# KiCad board CoquiKeyboard.kicad_pcb
title: Coqui Keyboard
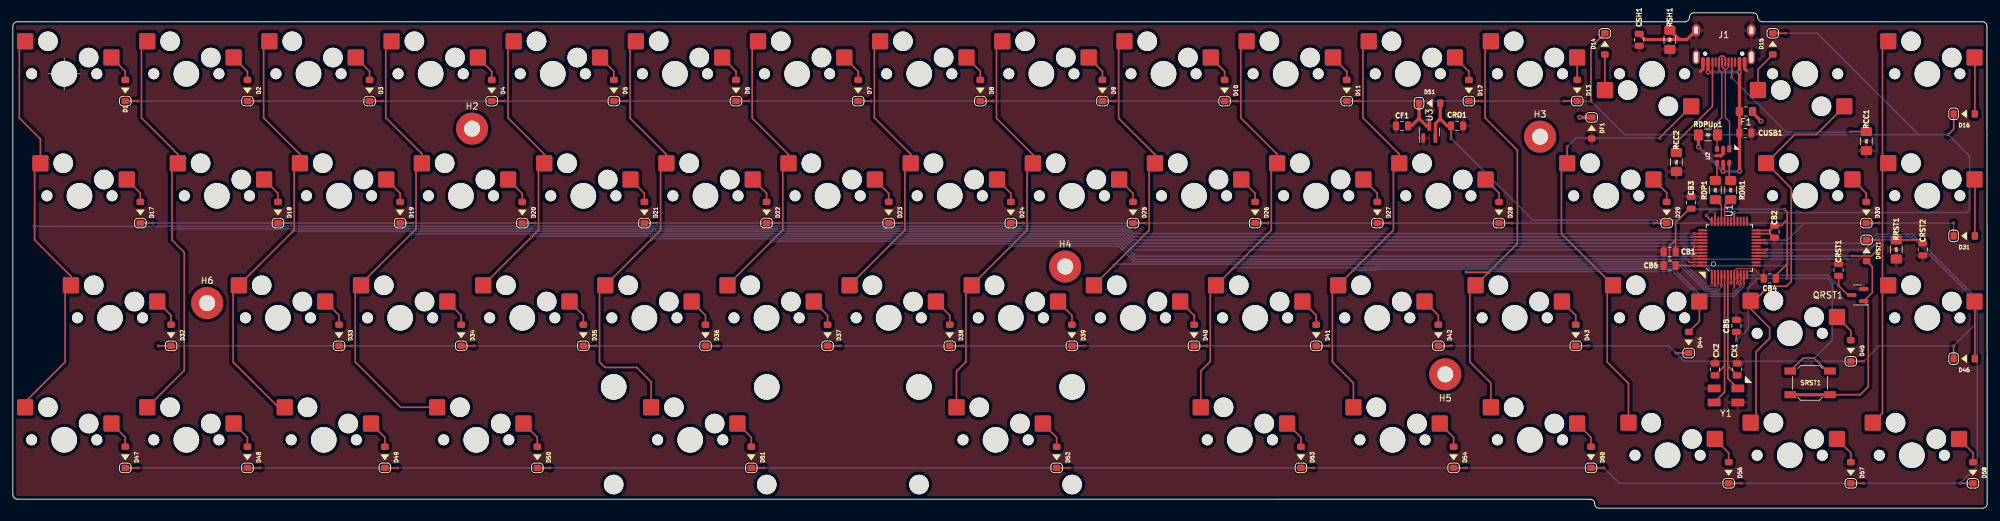
[diagram p0: board, top side]
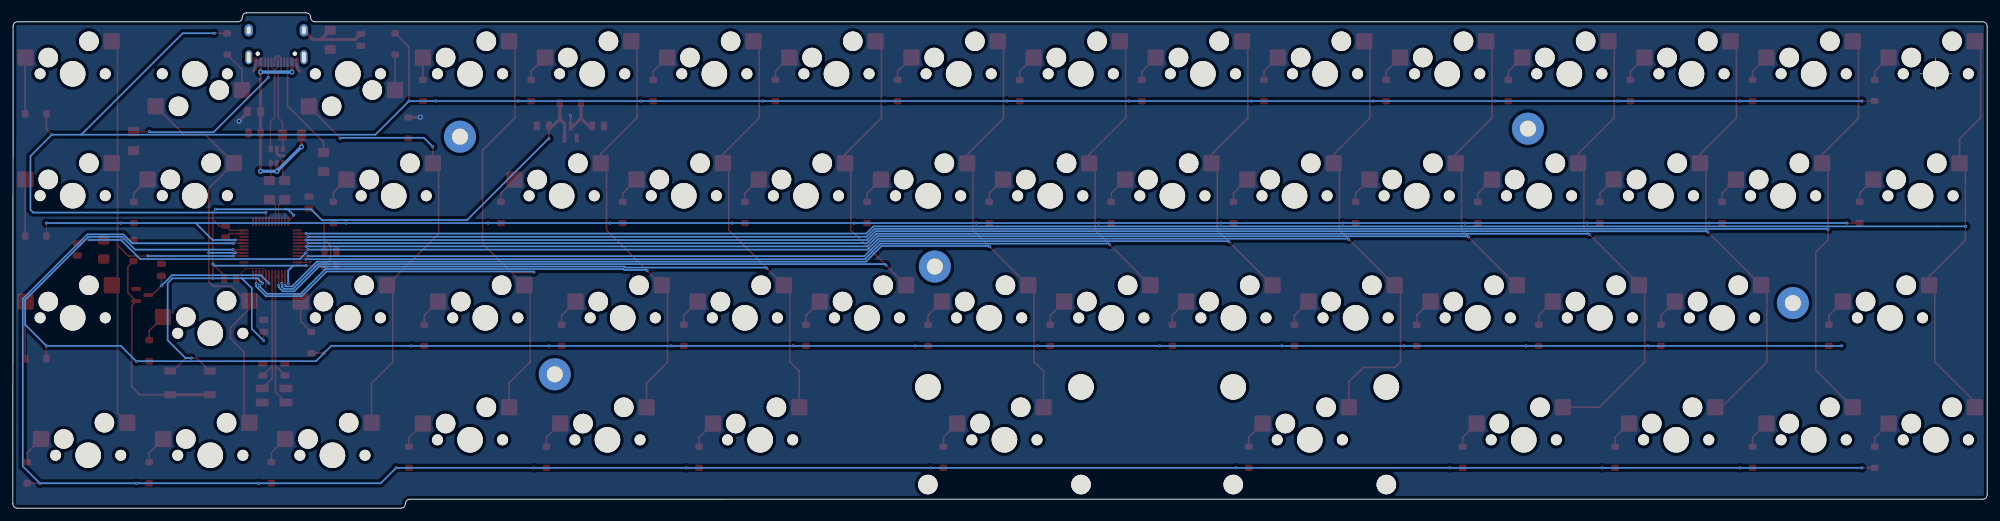
[diagram p1: board, bottom side, seen from below]

Outline 307.93 x 77.35 mm; copper layers: Top, Bottom. Coordinates in mm from the lower left corner of the outline.
Outline path: 0,75.26 0,2.1 arc(0.21,1.61) 0.7,1.4 246.01,1.4 arc(246.5,1.19) 246.71,0.7 arc(246.91,0.21) 247.41,0 307.23,0 arc(307.72,0.21) 307.93,0.7 307.89,75.25 arc(307.68,75.74) 307.19,75.95 272.85,75.95 arc(272.35,76.16) 272.15,76.65 arc(271.94,77.14) 271.45,77.35 262.19,77.35 arc(261.69,77.15) 261.49,76.65 arc(261.28,76.16) 260.79,75.95 0.71,75.95 arc(0.21,75.75) 0,75.26
Stack: Top 0.035mm / dielectric 1.51mm FR4 er 4.5 / Bottom 0.035mm

## Placement (name value [footprint] x y rotation side)
CB1  100n  [C_0805_2012Metric]  258.4 40.04 180 top
CB2  100n  [C_0805_2012Metric]  274.76 43.18 270 top
CB3  100n  [C_0805_2012Metric]  261.75 47.71 90 top
CB4  1u  [C_0805_2012Metric]  274.03 35.89 180 top
CB5  10n  [C_0805_2012Metric]  268.82 28.46 90 top
CB6  4.7u  [C_0805_2012Metric]  258.4 37.89 180 top
CF1  100n  [C_0805_2012Metric]  216.67 59.69 0 top
CRO1  100n  [C_0805_2012Metric]  225.25 59.7 180 top
CRST1  4.7n  [C_0805_2012Metric]  284.75 37.21 90 top
CRST2  10u  [C_0805_2012Metric]  297.88 40.41 90 top
CSH1  4.7n  [C_0805_2012Metric]  253.65 73.13 90 top
CUSB1  4.7n  [C_0805_2012Metric]  270.21 58.59 180 top
CX1  22p  [C_0805_2012Metric]  268.94 21.67 90 top
CX2  22p  [C_0805_2012Metric]  265.49 21.67 90 top
D1  1N4148W  [D_SOD-123]  17.54 65.22 90 top
D2  1N4148W  [D_SOD-123]  36.59 65.22 90 top
D3  1N4148W  [D_SOD-123]  55.64 65.22 90 top
D4  1N4148W  [D_SOD-123]  74.69 65.22 90 top
D5  1N4148W  [D_SOD-123]  93.74 65.22 90 top
D6  1N4148W  [D_SOD-123]  112.79 65.22 90 top
D7  1N4148W  [D_SOD-123]  131.84 65.22 90 top
D8  1N4148W  [D_SOD-123]  150.89 65.22 90 top
D9  1N4148W  [D_SOD-123]  169.94 65.22 90 top
D10  1N4148W  [D_SOD-123]  188.99 65.22 90 top
D11  1N4148W  [D_SOD-123]  208.04 65.22 90 top
D12  1N4148W  [D_SOD-123]  227.09 65.22 90 top
D13  1N4148W  [D_SOD-123]  243.99 65.23 90 top
D14  1N4148W  [D_SOD-123]  248.3 72.5 270 top
D15  1N4148W  [D_SOD-123]  274.49 72.5 270 top
D16  1N4148W  [D_SOD-123]  304.34 61.57 0 top
D17  1N4148W  [D_SOD-123]  19.89 46.17 90 top
D18  1N4148W  [D_SOD-123]  41.35 46.17 90 top
D19  1N4148W  [D_SOD-123]  60.4 46.17 90 top
D20  1N4148W  [D_SOD-123]  79.45 46.17 90 top
D21  1N4148W  [D_SOD-123]  98.5 46.17 90 top
D22  1N4148W  [D_SOD-123]  117.55 46.17 90 top
D23  1N4148W  [D_SOD-123]  136.6 46.17 90 top
D24  1N4148W  [D_SOD-123]  155.65 46.17 90 top
D25  1N4148W  [D_SOD-123]  174.7 46.17 90 top
D26  1N4148W  [D_SOD-123]  193.75 46.17 90 top
D27  1N4148W  [D_SOD-123]  212.8 46.17 90 top
D28  1N4148W  [D_SOD-123]  231.79 46.17 90 top
D29  1N4148W  [D_SOD-123]  257.94 46.17 90 top
D30  1N4148W  [D_SOD-123]  289.07 46.17 90 top
D31  1N4148W  [D_SOD-123]  304.34 42.52 0 top
D32  1N4148W  [D_SOD-123]  24.68 27 90 top
D33  1N4148W  [D_SOD-123]  50.88 27 90 top
D34  1N4148W  [D_SOD-123]  69.93 27 90 top
D35  1N4148W  [D_SOD-123]  88.98 27 90 top
D36  1N4148W  [D_SOD-123]  108.03 27 90 top
D37  1N4148W  [D_SOD-123]  127.07 27 90 top
D38  1N4148W  [D_SOD-123]  146.13 27 90 top
D39  1N4148W  [D_SOD-123]  165.18 27 90 top
D40  1N4148W  [D_SOD-123]  184.23 27 90 top
D41  1N4148W  [D_SOD-123]  203.28 27 90 top
D42  1N4148W  [D_SOD-123]  222.33 27 90 top
D43  1N4148W  [D_SOD-123]  243.76 27 90 top
D44  1N4148W  [D_SOD-123]  261.38 25.88 90 top
D45  1N4148W  [D_SOD-123]  286.65 24.59 90 top
D46  1N4148W  [D_SOD-123]  304.34 23.35 0 top
D47  1N4148W  [D_SOD-123]  17.54 7.95 90 top
D48  1N4148W  [D_SOD-123]  36.59 7.95 90 top
D49  1N4148W  [D_SOD-123]  58.02 7.95 90 top
D50  1N4148W  [D_SOD-123]  81.8 7.95 90 top
D51  1N4148W  [D_SOD-123]  115.17 7.95 90 top
D52  1N4148W  [D_SOD-123]  162.8 7.95 90 top
D53  1N4148W  [D_SOD-123]  200.9 7.95 90 top
D54  1N4148W  [D_SOD-123]  224.71 7.95 90 top
D55  1N4148W  [D_SOD-123]  246.14 7.95 90 top
D56  1N4148W  [D_SOD-123]  267.6 5.54 90 top
D57  1N4148W  [D_SOD-123]  286.65 5.54 90 top
D58  1N4148W  [D_SOD-123]  305.7 5.54 90 top
DF1  RB060M-60TR  [D_SOD-123]  246.25 59.37 270 top
DRST1  1N4148W  [D_SOD-123]  289.12 40.24 270 top
DS1  1N4007W  [D_SOD-123]  220.97 63.24 0 top
F1  1A  [Fuse_0805_2012Metric_Pad1.15x1.40mm_HandSolder]  270.3 61.94 180 top
H2  MountingHole  [MountingHole_2.5mm_Pad]  71.63 59.26 0 top
H3  MountingHole  [MountingHole_2.5mm_Pad]  238.19 58.01 0 top
H4  MountingHole  [MountingHole_2.5mm_Pad]  164.13 37.73 0 top
H5  MountingHole  [MountingHole_2.5mm_Pad]  223.4 20.91 0 top
H6  MountingHole  [MountingHole_2.5mm_Pad]  30.31 32.03 0 top
J1  TYPE-C-31-M12_13  [TYPE-C-31-M-12]  266.84 68.92 180 top
QRST1  DTC123J  [SOT-23]  287.73 33.29 180 top
RCC1  5.1k  [R_SMD_1206]  289.09 57.32 90 top
RCC2  5.1k  [R_SMD_1206]  259.46 54.05 90 top
RDN1  22R  [R_SMD_1206]  267.92 49.67 90 top
RDP1  22R  [R_SMD_1206]  265.54 49.67 90 top
RDPUp1  1.5k  [R_SMD_1206]  264.39 58.28 0 top
RRST1  100k  [R_SMD_1206]  293.75 40.4 270 top
RSH1  1M  [R_SMD_1206]  258.44 73.13 270 top
SRST1  SW_Push  [K2-1187SQ-A4SW-06]  280.31 19.57 0 top
SW1  MXSwitch  [MX100H]  8.02 67.83 0 top
SW2  MXSwitch  [MX100H]  27.07 67.83 0 top
SW3  MXSwitch  [MX100H]  46.12 67.83 0 top
SW4  MXSwitch  [MX100H]  65.17 67.83 0 top
SW5  MXSwitch  [MX100H]  84.22 67.83 0 top
SW6  MXSwitch  [MX100H]  103.27 67.83 0 top
SW7  MXSwitch  [MX100H]  122.32 67.83 0 top
SW8  MXSwitch  [MX100H]  141.37 67.83 0 top
SW9  MXSwitch  [MX100H]  160.42 67.83 0 top
SW10  MXSwitch  [MX100H]  179.47 67.83 0 top
SW11  MXSwitch  [MX100H]  198.52 67.83 0 top
SW12  MXSwitch  [MX100H]  217.57 67.83 0 top
SW13  MXSwitch  [MX100H]  236.62 67.83 0 top
SW14  MXSwitch  [MX100H]  255.67 67.83 180 top
SW15  MXSwitch  [MX100H]  279.54 67.83 180 top
SW16  MXSwitch  [MX100H]  298.59 67.83 0 top
SW17  MXSwitch  [MX125H]  10.4 48.78 0 top
SW18  MXSwitch  [MX100H]  31.83 48.78 0 top
SW19  MXSwitch  [MX100H]  50.88 48.79 0 top
SW20  MXSwitch  [MX100H]  69.89 48.78 0 top
SW21  MXSwitch  [MX100H]  88.98 48.78 0 top
SW22  MXSwitch  [MX100H]  108.03 48.78 0 top
SW23  MXSwitch  [MX100H]  127.08 48.78 0 top
SW24  MXSwitch  [MX100H]  146.13 48.78 0 top
SW25  MXSwitch  [MX100H]  165.18 48.78 0 top
SW26  MXSwitch  [MX100H]  184.23 48.78 0 top
SW27  MXSwitch  [MX100H]  203.28 48.79 0 top
SW28  MXSwitch  [MX100H]  222.33 48.78 0 top
SW29  MXSwitch  [MX175H]  248.52 48.78 0 top
SW30  MXSwitch  [MX100H]  279.54 48.79 0 top
SW31  MXSwitch  [MX100H]  298.59 48.79 0 top
SW32  MXSwitch  [MX175H]  15.16 29.73 0 top
SW33  MXSwitch  [MX100H]  41.35 29.73 0 top
SW34  MXSwitch  [MX100H]  60.4 29.73 0 top
SW35  MXSwitch  [MX100H]  79.45 29.73 0 top
SW36  MXSwitch  [MX100H]  98.5 29.73 0 top
SW37  MXSwitch  [MX100H]  117.55 29.73 0 top
SW38  MXSwitch  [MX100H]  136.6 29.73 0 top
SW39  MXSwitch  [MX100H]  155.65 29.73 0 top
SW40  MXSwitch  [MX100H]  174.7 29.73 0 top
SW41  MXSwitch  [MX100H]  193.75 29.73 0 top
SW42  MXSwitch  [MX100H]  212.8 29.73 0 top
SW43  MXSwitch  [MX125H]  234.23 29.73 0 top
SW44  MXSwitch  [MX100H]  255.67 29.73 0 top
SW45  MXSwitch  [MX100H]  277.13 27.31 0 top
SW46  MXSwitch  [MX100H]  298.59 29.73 0 top
SW47  MXSwitch  [MX100H]  8.02 10.68 0 top
SW48  MXSwitch  [MX100H]  27.07 10.68 0 top
SW49  MXSwitch  [MX125H]  48.5 10.68 0 top
SW50  MXSwitch  [MX125H]  72.28 10.68 0 top
SW51  MXSwitch  [MX225HR]  105.65 10.68 0 top
SW52  MXSwitch  [MX275HR]  153.27 10.68 0 top
SW53  MXSwitch  [MX125H]  191.37 10.68 0 top
SW54  MXSwitch  [MX125H]  215.18 10.68 0 top
SW55  MXSwitch  [MX100H]  236.62 10.68 0 top
SW56  MXSwitch  [MX100H]  258.08 8.26 0 top
SW57  MXSwitch  [MX100H]  277.13 8.26 0 top
SW58  MXSwitch  [MX100H]  296.18 8.26 0 top
U1  STM32F303-LQFP48  [LQFP-48_7x7mm_P0.5mm]  267.73 40.63 90 top
U2  USBLC6-2SC6  [SOT-23-6]  266.75 54.99 270 top
U3  MCP1700-3302E_SOT23  [SOT-23]  220.92 58.73 90 top
Y1  8MHz  [Crystal_SMD_5032-4Pin_5.0x3.2mm]  267.19 17.6 180 top

## Library data of the parts
CB1-CB3 CF1 CRO1 = -: LCSC part number: C111492; Package: 0805
CB4 = -: LCSC part number: C141772; Package: 0805
CB5 = -: LCSC part number: C58456; Package: 0805
CB6 CRST1 CSH1 CUSB1 = -: LCSC part number: C37818; Package: 0805
CRST2 = -: LCSC part number: C15850; Package: 0805
CX1 CX2 = -: LCSC part number: C1804; Package: 0805
D1-D58 DRST1 = -: LCSC part number: C181134; Package: SOD-123
DF1 = -: LCSC part number: C114257; Package: SOD-123
DS1 = -: LCSC part number: C108803; Package: SOD-123
F1 = -: LCSC part number: C20979; Package: 0805
J1 = -: LCSC part number: C165948; Manufacturer: Korean HRO
QRST1 = -: LCSC part number: C111724; Manufacturer: ROHM Semicon; Package: SOT-23
RCC1 RCC2 = -: LCSC part number: C352054; Package: 1206
RDN1 RDP1 = -: LCSC part number: C17958; Package: 1206
RDPUp1 = -: LCSC part number: C212489; Package: 1206
RRST1 = -: LCSC part number: C212480; Package: 1206
RSH1 = -: LCSC part number: C308486; Package: 1206
SRST1 = -: LCSC part number: C92584; Package: SPST-NO
U1 = -: LCSC part number: C81523; Manufacturer: STMicroelectronics; Package: LQFP-48
U2 = -: LCSC part number: C7519; Package: SOT-23-6
U3 = -: LCSC part number: C39051; Package: SOT-23
Y1 = -: LCSC part number: C251594; Package: 5032 4Pin

## Footprints (pads in the part's own frame, mm; a bottom-side part is the same pattern mirrored in y, then rotated)
C_0805_2012Metric
  rrect 0.975x1.4 smd: 1(-0.938,0) 2(0.938,0)
Crystal_SMD_5032-4Pin_5.0x3.2mm
  rrect 2x1.2 smd: 1(-1.85,-1.1) 2(1.85,-1.1) 3(1.85,1.1) 4(-1.85,1.1)
D_SOD-123
  rrect 1x1.2 smd: 1(-1.65,0) 2(1.65,0)
Fuse_0805_2012Metric_Pad1.15x1.40mm_HandSolder
  rrect 1.15x1.4 smd: 1(-1.025,0) 2(1.025,0)
K2-1187SQ-A4SW-06
  rect 1.8x1.1 smd: 1(-3.1,1.85) 1(3.1,1.85) 2(-3.1,-1.85) 2(3.1,-1.85)
LQFP-48_7x7mm_P0.5mm
  rect 1.475x0.3 smd: 1(-4.162,2.75)
  rrect 1.475x0.3 smd: 2(-4.162,2.25) 3(-4.162,1.75) 4(-4.162,1.25) 5(-4.162,0.75) 6(-4.162,0.25) 7(-4.162,-0.25) 8(-4.162,-0.75) 9(-4.162,-1.25) 10(-4.162,-1.75) 11(-4.162,-2.25) 12(-4.162,-2.75) 25(4.162,-2.75) 26(4.162,-2.25) 27(4.162,-1.75) 28(4.162,-1.25) 29(4.162,-0.75) 30(4.162,-0.25) 31(4.162,0.25) 32(4.162,0.75) 33(4.162,1.25) 34(4.162,1.75) 35(4.162,2.25) 36(4.162,2.75)
  rrect 0.3x1.475 smd: 13(-2.75,-4.162) 14(-2.25,-4.162) 15(-1.75,-4.162) 16(-1.25,-4.162) 17(-0.75,-4.162) 18(-0.25,-4.162) 19(0.25,-4.162) 20(0.75,-4.162) 21(1.25,-4.162) 22(1.75,-4.162) 23(2.25,-4.162) 24(2.75,-4.162) 37(2.75,4.162) 38(2.25,4.162) 39(1.75,4.162) 40(1.25,4.162) 41(0.75,4.162) 42(0.25,4.162) 43(-0.25,4.162) 44(-0.75,4.162) 45(-1.25,4.162) 46(-1.75,4.162) 47(-2.25,4.162) 48(-2.75,4.162)
MountingHole_2.5mm_Pad
  round 5 hole 2.5: 1(0,0)
MX100H
  round 1.702 hole 1.702 unplated: (-5.08,0) (5.08,0)
  round 3.048 hole 3.048 unplated: (-2.54,5.08) (3.81,2.54)
  round 3.988 hole 3.988 unplated: (0,0)
  rrect 2.54x2.54 smd: 1(-6.096,5.08) 2(7.366,2.54)
MX125H
  round 1.702 hole 1.702 unplated: (-5.08,0) (5.08,0)
  round 3.048 hole 3.048 unplated: (-2.54,5.08) (3.81,2.54)
  round 3.988 hole 3.988 unplated: (0,0)
  rrect 2.54x2.54 smd: 1(-6.096,5.08) 2(7.366,2.54)
MX175H
  round 1.702 hole 1.702 unplated: (-5.08,0) (5.08,0)
  round 3.048 hole 3.048 unplated: (-2.54,5.08) (3.81,2.54)
  round 3.988 hole 3.988 unplated: (0,0)
  rrect 2.54x2.54 smd: 1(-6.096,5.08) 2(7.366,2.54)
MX225HR
  round 3.988 hole 3.988 unplated: (-11.938,8.255) (0,0) (11.938,8.255)
  round 3.048 hole 3.048 unplated: (-11.938,-6.985) (-2.54,5.08) (3.81,2.54) (11.938,-6.985)
  round 1.702 hole 1.702 unplated: (-5.08,0) (5.08,0)
  rrect 2.54x2.54 smd: 1(-6.096,5.08) 2(7.366,2.54)
MX275HR
  round 3.988 hole 3.988 unplated: (-11.938,8.255) (0,0) (11.938,8.255)
  round 3.048 hole 3.048 unplated: (-11.938,-6.985) (-2.54,5.08) (3.81,2.54) (11.938,-6.985)
  round 1.702 hole 1.702 unplated: (-5.08,0) (5.08,0)
  rrect 2.54x2.54 smd: 1(-6.096,5.08) 2(7.366,2.54)
R_SMD_1206
  rrect 1.425x1.75 smd: 1(-1.488,0) 2(1.488,0)
SOT-23
  rrect 1.475x0.6 smd: 1(-0.938,0.95) 2(-0.938,-0.95) 3(0.938,0)
SOT-23-6
  rect 1.06x0.65 smd: 1(-1.1,0.95)
  rrect 1.06x0.65 smd: 2(-1.1,0) 3(-1.1,-0.95) 4(1.1,-0.95) 5(1.1,0) 6(1.1,0.95)
TYPE-C-31-M-12
  round 0.65 hole 0.65 unplated: (-2.89,-2.051) (2.89,-2.051)
  rrect 0.6x1.45 smd: A1(-3.25,-0.725) A4(-2.45,-0.725) B1(3.25,-0.725) B4(2.45,-0.725)
  rrect 0.3x1.45 smd: A5(-1.25,-0.725) A6(-0.254,-0.725) A7(0.25,-0.725) A8(1.25,-0.725) B5(1.75,-0.725) B6(0.75,-0.725) B7(-0.75,-0.725) B8(-1.75,-0.725)
  oval 1.1x2.2 hole 0.6x1.7: S(-4.3,-1.5) S(4.3,-1.5)
  oval 1.3x1.9 hole 0.6x1.2: S(-4.3,-5.7) S(4.3,-5.7)

## Nets
+3V3: CB1.1 CB2.1 CB3.1 CB4.1 CB5.1 CB6.1 CRO1.2 DS1.2 SRST1.1 U1.1 U1.9 U1.24 U1.36 U1.48 U3.2
+5V: CF1.2 DF1.1 DS1.1 F1.1 U3.3
GND: CB1.2 CB2.2 CB3.2 CB4.2 CB5.2 CB6.2 CF1.1 CRO1.1 CRST1.2 CRST2.1 CSH1.1 CUSB1.1 CX1.2 CX2.2 DF1.2 J1.A1 J1.B1 QRST1.2 RCC1.1 RCC2.1 RRST1.2 RSH1.2 U1.8 U1.23 U1.35 U1.47 U2.2 U3.1 Y1.2 Y1.4
VBUS: CUSB1.2 F1.2 J1.A4 J1.B4 RDPUp1.1 U2.5
BOOT0: CRST2.2 DRST1.1 RRST1.1 U1.44
CASE: H6.1
COL1: SW1.1 SW17.1 SW32.1 SW47.1 U1.38
COL2: SW2.1 SW18.1 SW48.1 U1.39
COL3: SW3.1 SW19.1 SW33.1 SW49.1 U1.40
COL4: SW4.1 SW20.1 SW34.1 SW50.1 U1.41
COL5: SW5.1 SW21.1 SW35.1 U1.42
COL6: SW6.1 SW22.1 SW36.1 SW51.1 U1.43
COL7: SW7.1 SW23.1 SW37.1 U1.45
COL8: SW8.1 SW24.1 SW38.1 U1.46
COL9: SW9.1 SW25.1 SW39.1 SW52.1 U1.2
COL10: SW10.1 SW26.1 SW40.1 U1.3
COL11: SW11.1 SW27.1 SW41.1 SW53.1 U1.4
COL12: SW12.1 SW28.1 SW42.1 SW54.1 U1.10
COL13: SW13.1 SW43.1 SW55.1 U1.11
COL14: SW14.1 SW29.1 SW44.1 SW56.1
COL15: SW15.1 SW30.1 SW45.1 SW57.1 U1.17
COL16: SW16.1 SW31.1 SW46.1 SW58.1 U1.16
D+: RDP1.1 U1.33
D-: RDN1.1 U1.32
DBus+: J1.A6 J1.B6 RDPUp1.2 U2.3
DBus-: J1.A7 J1.B7 U2.1
NRST: CRST1.1 QRST1.3 U1.7
ROW1: D1.1 D2.1 D3.1 D4.1 D5.1 D6.1 D7.1 D8.1 D9.1 D10.1 D11.1 D12.1 D13.1 D14.1 D15.1 D16.1 U1.29
ROW2: D17.1 D18.1 D19.1 D20.1 D21.1 D22.1 D23.1 D24.1 D25.1 D26.1 D27.1 D28.1 D29.1 D30.1 D31.1 U1.21
ROW3: D32.1 D33.1 D34.1 D35.1 D36.1 D37.1 D38.1 D39.1 D40.1 D41.1 D42.1 D43.1 D44.1 D45.1 D46.1 U1.18
ROW4: D47.1 D48.1 D49.1 D50.1 D51.1 D52.1 D53.1 D54.1 D55.1 D56.1 D57.1 D58.1 U1.20
SCL: U1.30
SDA: U1.31
SWCLK: U1.37
SWDIO: U1.34
XTAL1: CX2.1 U1.5 Y1.3
XTAL2: CX1.1 U1.6 Y1.1
Net-(CSH1-Pad2): CSH1.2 J1.S RSH1.1
Net-(D1-Pad2): D1.2 SW1.2
Net-(D2-Pad2): D2.2 SW2.2
Net-(D3-Pad2): D3.2 SW3.2
Net-(D4-Pad2): D4.2 SW4.2
Net-(D5-Pad2): D5.2 SW5.2
Net-(D6-Pad2): D6.2 SW6.2
Net-(D7-Pad2): D7.2 SW7.2
Net-(D8-Pad2): D8.2 SW8.2
Net-(D9-Pad2): D9.2 SW9.2
Net-(D10-Pad2): D10.2 SW10.2
Net-(D11-Pad2): D11.2 SW11.2
Net-(D12-Pad2): D12.2 SW12.2
Net-(D13-Pad2): D13.2 SW13.2
Net-(D14-Pad2): D14.2 SW14.2
Net-(D15-Pad2): D15.2 SW15.2
Net-(D16-Pad2): D16.2 SW16.2
Net-(D17-Pad2): D17.2 SW17.2
Net-(D18-Pad2): D18.2 SW18.2
Net-(D19-Pad2): D19.2 SW19.2
Net-(D20-Pad2): D20.2 SW20.2
Net-(D21-Pad2): D21.2 SW21.2
Net-(D22-Pad2): D22.2 SW22.2
Net-(D23-Pad2): D23.2 SW23.2
Net-(D24-Pad2): D24.2 SW24.2
Net-(D25-Pad2): D25.2 SW25.2
Net-(D26-Pad2): D26.2 SW26.2
Net-(D27-Pad2): D27.2 SW27.2
Net-(D28-Pad2): D28.2 SW28.2
Net-(D29-Pad2): D29.2 SW29.2
Net-(D30-Pad2): D30.2 SW30.2
Net-(D31-Pad2): D31.2 SW31.2
Net-(D32-Pad2): D32.2 SW32.2
Net-(D33-Pad2): D33.2 SW33.2
Net-(D34-Pad2): D34.2 SW34.2
Net-(D35-Pad2): D35.2 SW35.2
Net-(D36-Pad2): D36.2 SW36.2
Net-(D37-Pad2): D37.2 SW37.2
Net-(D38-Pad2): D38.2 SW38.2
Net-(D39-Pad2): D39.2 SW39.2
Net-(D40-Pad2): D40.2 SW40.2
Net-(D41-Pad2): D41.2 SW41.2
Net-(D42-Pad2): D42.2 SW42.2
Net-(D43-Pad2): D43.2 SW43.2
Net-(D44-Pad2): D44.2 SW44.2
Net-(D45-Pad2): D45.2 SW45.2
Net-(D46-Pad2): D46.2 SW46.2
Net-(D47-Pad2): D47.2 SW47.2
Net-(D48-Pad2): D48.2 SW48.2
Net-(D49-Pad2): D49.2 SW49.2
Net-(D50-Pad2): D50.2 SW50.2
Net-(D51-Pad2): D51.2 SW51.2
Net-(D52-Pad2): D52.2 SW52.2
Net-(D53-Pad2): D53.2 SW53.2
Net-(D54-Pad2): D54.2 SW54.2
Net-(D55-Pad2): D55.2 SW55.2
Net-(D56-Pad2): D56.2 SW56.2
Net-(D57-Pad2): D57.2 SW57.2
Net-(D58-Pad2): D58.2 SW58.2
Net-(DRST1-Pad2): DRST1.2 QRST1.1 SRST1.2
Net-(J1-PadA5): J1.A5 RCC1.2
Net-(J1-PadB5): J1.B5 RCC2.2
Net-(RDN1-Pad2): RDN1.2 U2.6
Net-(RDP1-Pad2): RDP1.2 U2.4

Pads without a net: H2 1; H3 1; H4 1; H5 1; J1 A8 B8; U1 12 13 14 15 19 22 25 26 27 28

## Via types
v1: diameter 0.45, hole 0.2, Top to Bottom, 112 vias
v2: diameter 0.8, hole 0.4, Top to Bottom, 7 vias

## Routing (per net, layer and track width the routed paths; a pad name or vN(x,y) marks a point on that pad's centre or on a via; arc(x,y) is an arc through that point)
+3V3: length 177.4
  Top w0.254: v1(264.98,35.11) U1.1 ; SRST1.1 279.22,23.43 v1(280.1,23.43) 280.92,23.43 282.94,21.42 SRST1.1 ; CRO1.2 224.32,59.7 v1(224.32,57.7) ; 259.34,41.92 258.38,40.96 258.38,38.85 CB6.1 260.83,37.89 260.83,37.88 v1(262.19,37.88) 263.56,37.88 U1.48 ; 259.34,41.92 CB1.1 ; 259.34,41.92 259.34,44.6 261.51,46.77 CB3.1 ; CB4.1 274.96,36.38 276.75,38.16 276.75,46.26 v1(276.33,46.68) ; 276.75,45.08 275.78,44.12 CB2.1 274.02,43.38 U1.24 ; v1(264.12,45.75) 264.12,45.65 U1.36 ; v1(276.73,38.14) v1(276.73,35.89) ; v1(268.82,26.16) CB5.1 ; v1(268.98,35.11) U1.9
  Top w0.5: 222.62,60.77 221.87,60.02 U3.2 ; 222.62,60.77 222.63,60.77 223.7,59.7 CRO1.2 ; 222.62,60.77 DS1.2
  Bottom w0.254: v1(276.33,46.68) 276.31,46.67 265.45,46.67 ; 276.71,35.89 272.29,35.89 ; 272.29,35.89 272.2,35.89 270.66,34.35 270.66,28.01 268.82,26.17 v1(268.82,26.16) ; 272.29,35.89 269.76,35.89 v1(268.98,35.11) ; 264.21,37.87 276.46,37.87 v1(276.73,38.14) ; v1(224.32,57.7) 224.37,57.7 237.07,45 255.71,45 255.72,45 256.11,45 256.12,45 259.73,45 261.4,46.67 265.45,46.67 ; v1(264.12,45.75) 265.03,46.67 265.45,46.67 ; v1(262.19,37.88) 264.2,37.88 264.98,37.1 v1(264.98,35.11) ; v1(280.1,23.43) 280.98,23.43 283.78,26.23 283.78,35.15 283.04,35.89 v1(276.73,35.89)
+5V: length 11.7
  Top w0.254: v1(220.95,61.32) 220.92,61.29 U3.3
  Top w0.5: F1.1 271.33,61.75 v2(272.65,60.43) ; v2(244.37,61.04) 244.39,61.02 DF1.1 ; DS1.1 219.32,60.88 ; 219.32,60.88 219.32,60.87 220.51,59.67 U3.3 ; 219.32,60.88 218.14,59.7
GND: length 20.7
  Top w0.13: CB4.2 271.54,37.44 268.88,37.44 268.48,37.04 U1.8
  Top w0.254: U1.35 265.48,45.97 ; U1.8 268.48,34.5 ; U1.47 261.53,38.38 261.34,38.57 ; CB2.2 274.12,42.88 U1.23
  Top w0.5: 263.22,68.22 263.59,68.59 263.59,70.19 ; U2.2 266.75,55.39 266.39,55.04 265.6,55.04 ; 270.09,70.19 270.09,68.6 270.38,68.31
VBUS: length 35.7
  Top w0.5: 264.39,70.19 264.39,68.13 v2(264.42,68.1) ; v2(266.74,52.6) 266.75,52.61 U2.5 ; 269.29,70.19 v2(269.29,68.1) 269.3,68.09 v2(269.3,52.61) ; v2(262.92,56.42) 262.9,56.44 RDPUp1.1
  Bottom w0.5: v2(266.74,52.6) 266.75,52.61 v2(269.3,52.61) ; v2(266.74,52.6) 266.74,52.61 ; v2(266.74,52.6) v2(262.92,56.42) ; v2(264.42,68.1) v2(269.29,68.1)
BOOT0: length 43
  Top w0.254: v1(291.05,41.89) DRST1.1 ; RRST1.1 293.75,41.89 v1(295.95,41.89) 297.34,41.89 CRST2.2 ; v1(262.21,39.88) 263.56,39.88
  Bottom w0.254: v1(262.21,39.88) 263.19,38.9 288.05,38.9 v1(291.05,41.89) v1(295.95,41.89)
COL1: length 325.3
  Top w0.254: 263.56,42.88 v1(262.21,42.88) ; SW1.1 1.02,72 1.02,60.93 4.3,57.64 SW17.1 3.41,52.96 3.41,44.05 v1(3.36,44) 3.4,43.96 3.4,41.88 9.06,36.21 SW32.1 8.17,33.91 8.17,22.84 1.92,16.59 SW47.1
  Bottom w0.254: v1(262.21,42.88) 174.83,42.88 173.71,44 7.69,44 v1(3.36,44)
COL2: length 302.7
  Top w0.254: v1(261.89,42.38) 263.56,42.38 ; SW48.1 26.74,21.52 26.74,39.95 24.83,41.86 24.83,52.95 SW18.1 25.73,55.26 20.07,60.93 20.07,72 SW2.1
  Bottom w0.254: v1(24.83,43.52) 24.92,43.62 173.55,43.62 174.78,42.38 v1(261.89,42.38)
COL3: length 288.7
  Top w0.254: SW3.1 39.12,72 39.12,60.93 44.78,55.27 SW19.1 43.88,52.96 43.88,43.43 35.26,34.81 SW33.1 34.36,33.9 34.36,22.83 41.43,15.76 SW49.1 ; 262.19,41.87 263.54,41.87
  Bottom w0.254: v1(262.21,41.87) 174.75,41.87 173.39,43.23 43.68,43.23 43.68,43.23 v1(43.59,43.13)
COL4: length 275
  Top w0.254: SW4.1 58.17,72 58.17,60.97 63.79,55.34 SW20.1 62.88,52.94 62.88,43.61 54.31,35.03 SW34.1 53.41,33.9 53.41,22.83 60.48,15.76 SW50.1 ; v1(261.89,41.38) 263.56,41.38
  Bottom w0.254: v1(261.88,41.38) 174.7,41.38 173.23,42.85 62.12,42.85 v1(62.03,42.75)
COL5: length 228.1
  Top w0.254: 263.54,40.87 262.19,40.87 262.19,40.88 v1(262.18,40.88) ; SW35.1 81.99,43.43 81.99,52.96 SW21.1 82.88,55.29 77.22,60.96 77.22,72 SW5.1
  Bottom w0.254: v1(262.18,40.88) 174.65,40.88 173.07,42.47 81.01,42.47 v1(80.92,42.37)
COL6: length 235.2
  Top w0.254: SW51.1 99.55,19.72 97.31,21.97 92.37,21.97 91.51,22.83 91.51,33.9 SW36.1 101.03,43.42 101.03,52.95 SW22.1 101.93,55.22 96.27,60.89 96.27,72 SW6.1 ; 261.89,40.38 263.56,40.38
  Bottom w0.254: v1(261.9,40.38) 261.89,40.37 174.62,40.37 172.91,42.08 99.68,42.08 v1(99.59,41.98)
COL7: length 191.1
  Top w0.254: SW37.1 120.09,43.43 120.09,52.96 SW23.1 120.98,55.23 115.32,60.9 115.32,72 SW7.1 ; 261.87,39.37 263.55,39.37
  Bottom w0.254: v1(118.26,41.6) 118.35,41.7 172.75,41.7 175.1,39.35 261.86,39.35 v1(261.88,39.37)
COL8: length 172.5
  Top w0.254: 263.56,38.88 v1(262.21,38.88) ; SW38.1 139.13,43.42 139.13,52.95 SW24.1 140.03,55.29 134.37,60.95 134.37,72 SW8.1
  Bottom w0.254: v1(262.21,38.88) 175.03,38.88 172.59,41.32 137.01,41.32 v1(136.91,41.21)
COL9: length 179.1
  Top w0.254: SW52.1 147.18,21.39 148.66,22.87 148.66,33.9 158.19,43.43 158.19,52.96 SW25.1 159.08,55.22 153.42,60.88 153.42,72 SW9.1 ; U1.2 265.48,34.79
  Bottom w0.254: v1(265.49,34.79) 265.32,34.63 264.37,34.63 260.5,38.5 174.87,38.5 172.44,40.93 155.68,40.93 v1(155.59,40.83)
COL10: length 142.7
  Top w0.254: SW10.1 172.47,72 172.47,60.89 178.13,55.23 SW26.1 177.23,52.95 177.23,43.42 SW40.1 ; U1.3 v1(265.98,35.11)
  Bottom w0.254: v1(265.98,35.11) 265.98,34.59 265.63,34.24 264.21,34.24 260.34,38.11 171.92,38.11 v1(171.76,37.95)
COL11: length 144.9
  Top w0.254: U1.4 v1(266.48,34.79) ; SW11.1 191.52,72 191.52,60.94 197.18,55.27 SW27.1 196.28,52.96 196.28,43.42 SW41.1 186.76,33.9 186.76,22.91 185.28,21.43 SW53.1
  Bottom w0.254: v1(190.33,37.47) 190.42,37.57 211.67,37.57 211.68,37.57 212.39,37.57 212.55,37.73 260.19,37.73 264.05,33.86 265.81,33.86 266.48,34.53 v1(266.48,34.79)
COL12: length 130
  Top w0.254: SW12.1 210.57,72 210.57,60.96 216.23,55.29 SW28.1 215.33,52.95 215.33,43.42 206.71,34.81 SW42.1 205.81,33.9 205.81,22.83 209.09,19.55 SW54.1 ; U1.10 v1(269.48,34.81)
  Bottom w0.254: v1(269.48,34.81) 269.48,34.67 268.28,33.48 263.02,33.48 259.15,37.35 212.71,37.35 212.55,37.19 209.09,37.19 v1(209,37.09)
COL13: length 118.4
  Top w0.13: 230.19,36.86 232.63,39.3
  Top w0.254: v1(269.98,35.1) 269.98,35.1 U1.11 ; SW55.1 230.52,19.55 227.24,22.83 227.24,33.9 SW43.1 234.66,41.32 234.66,55.9 229.62,60.94 229.62,72 SW13.1 ; 230.15,36.81 226.7,36.81 v1(226.65,36.86)
  Bottom w0.254: 226.68,36.96 258.99,36.96 262.86,33.09 268.44,33.09 269.67,34.33 269.67,34.33 269.98,34.63 v1(269.98,35.1)
COL14: length 70.6
  Top w0.254: SW14.1 256.89,57.87 v1(256.89,57.75) ; v1(242.44,56.46) 242.43,56.45 SW29.1 241.53,52.95 241.53,42.85 SW44.1 248.67,33.9 248.67,22.81 251.98,19.49 SW56.1
  Bottom w0.254: v1(242.44,56.46) 243.81,57.84 256.8,57.84 v1(256.89,57.75)
COL15: length 70.4
  Top w0.254: SW15.1 285.64,62.72 281.27,58.35 277.92,58.35 SW30.1 277.36,49.96 277.36,35.41 276.6,34.65 273.88,34.65 271.62,32.39 271.18,32.39 ; SW45.1 271.03,31.12 274,28.16 274,26.54 271.86,24.4 271.86,14.17 SW57.1 ; U1.17 273.24,39.88 v1(273.24,39.88)
  Bottom w0.254: v1(277.36,39.88) v1(273.24,39.88)
COL16: length 82.5
  Top w0.254: 291.6,41.1 291.6,35.71 SW46.1 291.6,33.91 291.6,14.86 SW58.1 ; 291.6,41.1 291.6,52.97 SW31.1 291.6,54.77 291.6,72.01 SW16.1 ; 291.6,41.1 289.88,39.38 v1(286.88,39.38) ; 271.86,39.38 273.53,39.38 v1(273.54,39.38)
  Bottom w0.254: v1(273.54,39.38) 286.87,39.38
D+: length 3.8
  Top w0.2: U1.33 266.48,47.24 RDP1.1
D-: length 3.8
  Top w0.2: RDN1.1 266.98,47.24 U1.32
DBus+: length 16.1
  Top w0.2: 267.09,70.19 267.09,70.32 266.81,70.6 266.38,70.6 266.09,70.3 266.09,68.42 266.54,67.97 266.54,60.99 265.87,60.33 RDPUp1.2 265.8,58.2 U2.3
DBus-: length 16.6
  Top w0.2: 267.1,68.39 267.1,61 267.75,60.35 267.75,56.14 U2.1 ; 267.1,68.39 267.59,68.88 267.59,70.19 ; 267.1,68.39 266.59,68.9 266.59,70.19
NRST: length 23.5
  Top w0.254: U1.7 v1(267.98,35.11) ; QRST1.3 286.19,33.29 v1(284.75,34.73) CRST1.1
  Bottom w0.254: v1(284.75,34.73) 283.1,36.37 269.24,36.37 v1(267.98,35.11)
ROW1: length 406.3
  Top w0.254: v1(210.04,63.57) D11.1 ; D13.1 v1(241.99,63.58) ; v1(229.09,63.57) D12.1 ; v1(301.84,58.33) 302.7,59.19 302.7,61.57 ; v1(57.64,63.57) D3.1 ; v1(152.89,63.57) D8.1 ; v1(19.54,63.57) D1.1 ; 268.48,44.82 268.48,45.45 268.47,45.46 v1(268.47,46.19) ; v1(171.94,63.57) D9.1 ; v1(190.99,63.57) D10.1 ; v1(246.14,63.57) 246.14,71.99 D14.1 ; v1(76.69,63.57) D4.1 ; v1(114.79,63.57) D6.1 ; v1(95.74,63.57) D5.1 ; v1(276.49,74.15) D15.1 ; v1(133.84,63.57) D7.1 ; v1(38.59,63.57) D2.1
  Bottom w0.254: 297.26,58.32 251.39,58.32 v1(246.14,63.57) v1(229.09,63.57) v1(210.04,63.57) v1(190.99,63.57) v1(171.94,63.57) v1(152.89,63.57) v1(133.84,63.57) v1(114.79,63.57) v1(95.74,63.57) v1(76.69,63.57) v1(57.64,63.57) v1(38.59,63.57) v1(19.54,63.57) ; 297.26,58.32 301.84,58.32 305.18,54.98 305.18,46.58 304.76,46.16 268.5,46.16 v1(268.47,46.19) ; 297.26,58.32 281.42,74.16 276.5,74.16 v1(276.49,74.15)
ROW2: length 319.5
  Top w0.13: v1(302.69,44.52) D31.1 ; v1(233.81,44.52) 233.8,44.52 233.79,44.52
  Top w0.254: D28.1 233.79,44.52 ; D25.1 v1(176.7,44.52) ; D26.1 v1(195.75,44.52) ; v1(291.07,44.52) D30.1 ; D20.1 v1(81.45,44.52) ; D19.1 v1(62.4,44.52) ; D18.1 v1(43.35,44.52) ; v1(273.24,41.88) 271.88,41.88 ; D17.1 v1(21.89,44.52) ; D24.1 v1(157.65,44.52) ; D23.1 v1(138.6,44.52) ; v1(255.92,44.52) 257.92,44.52 ; D22.1 v1(119.55,44.52) ; D21.1 v1(100.5,44.52) ; D27.1 v1(214.8,44.52)
  Bottom w0.254: v1(21.89,44.52) 43.35,44.52 v1(43.35,44.52) v1(62.4,44.52) v1(81.45,44.52) v1(100.5,44.52) 119.55,44.52 v1(119.55,44.52) 138.6,44.52 v1(138.6,44.52) v1(157.65,44.52) v1(176.7,44.52) v1(195.75,44.52) v1(214.8,44.52) 214.8,44.52 v1(233.81,44.52) 233.81,44.52 279.41,44.52 ; 279.41,44.52 276.77,41.88 v1(273.24,41.88) ; 279.41,44.52 v1(291.07,44.52) v1(302.69,44.52)
ROW3: length 359.5
  Top w0.254: v1(52.88,25.35) D33.1 ; 24.69,25.35 22.69,25.35 ; v1(167.18,25.35) D39.1 ; v1(148.13,25.35) D38.1 ; v1(273.6,40.37) 273.59,40.37 271.92,40.37 ; v1(186.23,25.35) D40.1 ; v1(224.33,25.35) D42.1 ; v1(129.07,25.35) D37.1 ; v1(71.93,25.35) D34.1 ; v1(110.03,25.35) D36.1 ; v1(90.98,25.35) D35.1 ; v1(205.28,25.35) D41.1 ; v1(288.65,22.94) D45.1 ; v1(259.38,24.22) D44.1 ; v1(245.76,25.35) D43.1 ; D46.1 v1(302.69,25.35)
  Bottom w0.254: v1(273.6,40.37) 288.84,40.37 290.85,42.37 296.14,42.37 306,32.52 306,28.65 v1(302.69,25.35) 291.08,25.35 288.67,22.94 v1(288.65,22.94) 288.64,22.95 260.65,22.95 258.25,25.35 v1(245.76,25.35) v1(224.33,25.35) v1(205.28,25.35) v1(186.23,25.35) v1(167.18,25.35) v1(148.13,25.35) v1(129.07,25.35) v1(110.03,25.35) v1(90.98,25.35) v1(71.93,25.35) v1(52.88,25.35) v1(22.68,25.35)
ROW4: length 378.4
  Top w0.254: v1(303.7,3.89) D58.1 ; v1(248.14,6.3) D55.1 ; v1(269.6,3.89) D56.1 ; v1(83.8,6.3) D50.1 ; 271.83,41.38 273.5,41.38 v1(273.51,41.37) ; v1(202.9,6.3) D53.1 ; D47.1 v1(19.54,6.3) ; v1(288.65,3.89) D57.1 ; v1(226.71,6.3) D54.1 ; v1(60.02,6.3) D49.1 ; v1(164.8,6.3) D52.1 ; D48.1 v1(38.59,6.3) ; v1(117.17,6.3) D51.1
  Bottom w0.254: 38.5,6.3 38.5,6.3 ; v1(19.54,6.3) v1(248.14,6.3) 250.55,3.89 v1(269.6,3.89) v1(288.65,3.89) v1(303.7,3.89) 306.38,6.56 306.38,32.68 296.3,42.76 290.69,42.76 289.29,41.36 273.52,41.36 v1(273.51,41.37)
XTAL1: length 22.7
  Top w0.254: 266.96,22.22 265.49,20.76 ; U1.5 266.98,18.14 Y1.3
XTAL2: length 20.5
  Top w0.254: U1.6 267.48,20.26 Y1.1 ; 267.47,22.23 268.96,20.74
Net-(CSH1-Pad2): length 11.9
  Top w0.5: CSH1.2 254.54,73.18 259.89,73.18 ; 259.89,73.18 261.1,73.18 J1.S ; 259.89,73.18 258.45,74.62 RSH1.1
Net-(D1-Pad2): length 4.4
  Top w0.254: SW1.2 17.54,68.21 D1.2
Net-(D2-Pad2): length 4.4
  Top w0.254: SW2.2 36.59,68.21 D2.2
Net-(D3-Pad2): length 4.4
  Top w0.254: D3.2 55.64,68.21 SW3.2
Net-(D4-Pad2): length 4.4
  Top w0.254: SW4.2 74.69,68.21 D4.2
Net-(D5-Pad2): length 4.4
  Top w0.254: SW5.2 93.74,68.21 D5.2
Net-(D6-Pad2): length 4.4
  Top w0.254: SW6.2 112.79,68.21 D6.2
Net-(D7-Pad2): length 4.4
  Top w0.254: D7.2 131.84,68.21 SW7.2
Net-(D8-Pad2): length 4.4
  Top w0.254: SW8.2 150.89,68.21 D8.2
Net-(D9-Pad2): length 4.4
  Top w0.254: SW9.2 169.94,68.21 D9.2
Net-(D10-Pad2): length 4.4
  Top w0.254: SW10.2 188.99,68.21 D10.2
Net-(D11-Pad2): length 4.4
  Top w0.254: D11.2 208.04,68.21 SW11.2
Net-(D12-Pad2): length 4.4
  Top w0.254: D12.2 227.09,68.21 SW12.2
Net-(D13-Pad2): length 3.5
  Top w0.254: D13.2 243.99,70.36 SW13.2
Net-(D14-Pad2): length 5.6
  Top w0.254: D14.2 248.29,70.85 248.29,65.3
Net-(D15-Pad2): length 6.5
  Top w0.254: SW15.2 272.18,68.52 274.49,70.83 D15.2
Net-(D16-Pad2): length 8.9
  Top w0.254: 306,70.5 306,61.59 D16.2
Net-(D17-Pad2): length 4.4
  Top w0.254: SW17.2 19.89,49.19 D17.2
Net-(D18-Pad2): length 4.4
  Top w0.254: D18.2 41.35,49.16 SW18.2
Net-(D19-Pad2): length 4.4
  Top w0.254: D19.2 60.4,49.17 SW19.2
Net-(D20-Pad2): length 4.4
  Top w0.254: SW20.2 79.45,49.12 D20.2
Net-(D21-Pad2): length 4.4
  Top w0.254: SW21.2 98.5,49.16 D21.2
Net-(D22-Pad2): length 4.4
  Top w0.254: D22.2 117.55,49.16 SW22.2
Net-(D23-Pad2): length 4.4
  Top w0.254: D23.2 136.6,49.16 SW23.2
Net-(D24-Pad2): length 4.4
  Top w0.254: D24.2 155.65,49.16 SW24.2
Net-(D25-Pad2): length 4.4
  Top w0.254: SW25.2 174.7,49.16 D25.2
Net-(D26-Pad2): length 4.4
  Top w0.254: D26.2 193.75,49.16 SW26.2
Net-(D27-Pad2): length 4.4
  Top w0.254: SW27.2 212.8,49.17 D27.2
Net-(D28-Pad2): length 4.4
  Top w0.254: D28.2 231.79,49.22 SW28.2
Net-(D29-Pad2): length 4.3
  Top w0.254: D29.2 257.94,49.27 SW29.2
Net-(D30-Pad2): length 4.5
  Top w0.254: 289.07,47.72 289.07,49.18 SW30.2
Net-(D31-Pad2): length 9
  Top w0.254: D31.2 306,42.53 306,51.5
Net-(D32-Pad2): length 4.5
  Top w0.254: SW32.2 24.68,30.11 D32.2
Net-(D33-Pad2): length 4.5
  Top w0.254: SW33.2 50.88,30.11 D33.2
Net-(D34-Pad2): length 4.5
  Top w0.254: D34.2 69.93,30.11 SW34.2
Net-(D35-Pad2): length 4.5
  Top w0.254: SW35.2 88.98,30.11 D35.2
Net-(D36-Pad2): length 4.5
  Top w0.254: SW36.2 108.03,30.11 D36.2
Net-(D37-Pad2): length 4.5
  Top w0.254: SW37.2 127.07,30.11 127.07,28.64
Net-(D38-Pad2): length 4.5
  Top w0.254: SW38.2 146.13,30.11 D38.2
Net-(D39-Pad2): length 4.5
  Top w0.254: D39.2 165.18,30.11 SW39.2
Net-(D40-Pad2): length 4.5
  Top w0.254: SW40.2 184.23,30.11 D40.2
Net-(D41-Pad2): length 4.5
  Top w0.254: SW41.2 203.28,30.11 D41.2
Net-(D42-Pad2): length 4.5
  Top w0.254: SW42.2 222.33,30.11 D42.2
Net-(D43-Pad2): length 4.5
  Top w0.254: SW43.2 243.76,30.11 D43.2
Net-(D44-Pad2): length 5.4
  Top w0.254: SW44.2 263.04,32.26 263.04,29.19 D44.2
Net-(D45-Pad2): length 4.5
  Top w0.254: D45.2 286.65,27.69 SW45.2
Net-(D46-Pad2): length 8.9
  Top w0.254: D46.2 306,23.36 306,32.25
Net-(D47-Pad2): length 4.5
  Top w0.254: SW47.2 17.54,11.06 D47.2
Net-(D48-Pad2): length 4.5
  Top w0.254: D48.2 36.59,11.06 SW48.2
Net-(D49-Pad2): length 4.5
  Top w0.254: SW49.2 58.02,11.06 D49.2
Net-(D50-Pad2): length 4.5
  Top w0.254: D50.2 81.8,11.06 SW50.2
Net-(D51-Pad2): length 4.5
  Top w0.254: SW51.2 115.17,11.06 D51.2
Net-(D52-Pad2): length 4.5
  Top w0.254: D52.2 162.8,11.06 SW52.2
Net-(D53-Pad2): length 4.5
  Top w0.254: SW53.2 200.9,11.06 D53.2
Net-(D54-Pad2): length 4.5
  Top w0.254: D54.2 224.71,11.06 SW54.2
Net-(D55-Pad2): length 4.5
  Top w0.254: D55.2 246.14,11.06 SW55.2
Net-(D56-Pad2): length 4.5
  Top w0.254: D56.2 267.6,8.64 SW56.2
Net-(D57-Pad2): length 4.5
  Top w0.254: D57.2 286.65,8.64 SW57.2
Net-(D58-Pad2): length 4.5
  Top w0.254: SW58.2 305.7,8.64 D58.2
Net-(DRST1-Pad2): length 33.5
  Top w0.254: SRST1.2 288.12,17.72 289.38,18.99 289.38,31.63 QRST1.1 290.02,33.69 290.02,37.69 DRST1.2
  Top w0.5: SRST1.2 SRST1.2
Net-(J1-PadA5): length 27.5
  Top w0.254: v1(286.64,58.8) 289.08,58.8 RCC1.2 ; 268.09,70.19 v1(268.09,67.25)
  Bottom w0.254: v1(268.09,67.25) 268.09,67.23 276.61,58.7 286.54,58.7 v1(286.64,58.8)
Net-(J1-PadB5): length 17
  Top w0.254: RCC2.2 259.46,57.14 265.09,62.77 265.09,70.19
Net-(RDN1-Pad2): length 2.7
  Top w0.254: U2.6 267.7,51.21
Net-(RDP1-Pad2): length 2.7
  Top w0.254: U2.4 265.8,51.19

## Copper pours and planes (outline as drawn; the poured copper is in the pictures)
+5V on Bottom: 307.56,-0.21 -0.2,0.09 -0.05,77.58 307.41,77.43
GND on Top: 261.45,70.28 272.55,70.29 272.56,77.3 307.41,77.32 307.56,-0.21 -0.2,0.09 -0.05,77.48 261.45,77.33
Net-(CSH1-Pad2) on Top: 272.17,70.74 261.61,70.74 261.61,77.33 272.17,77.33
